# KiCad board PANEL_COM_MOD.kicad_pcb (continued)
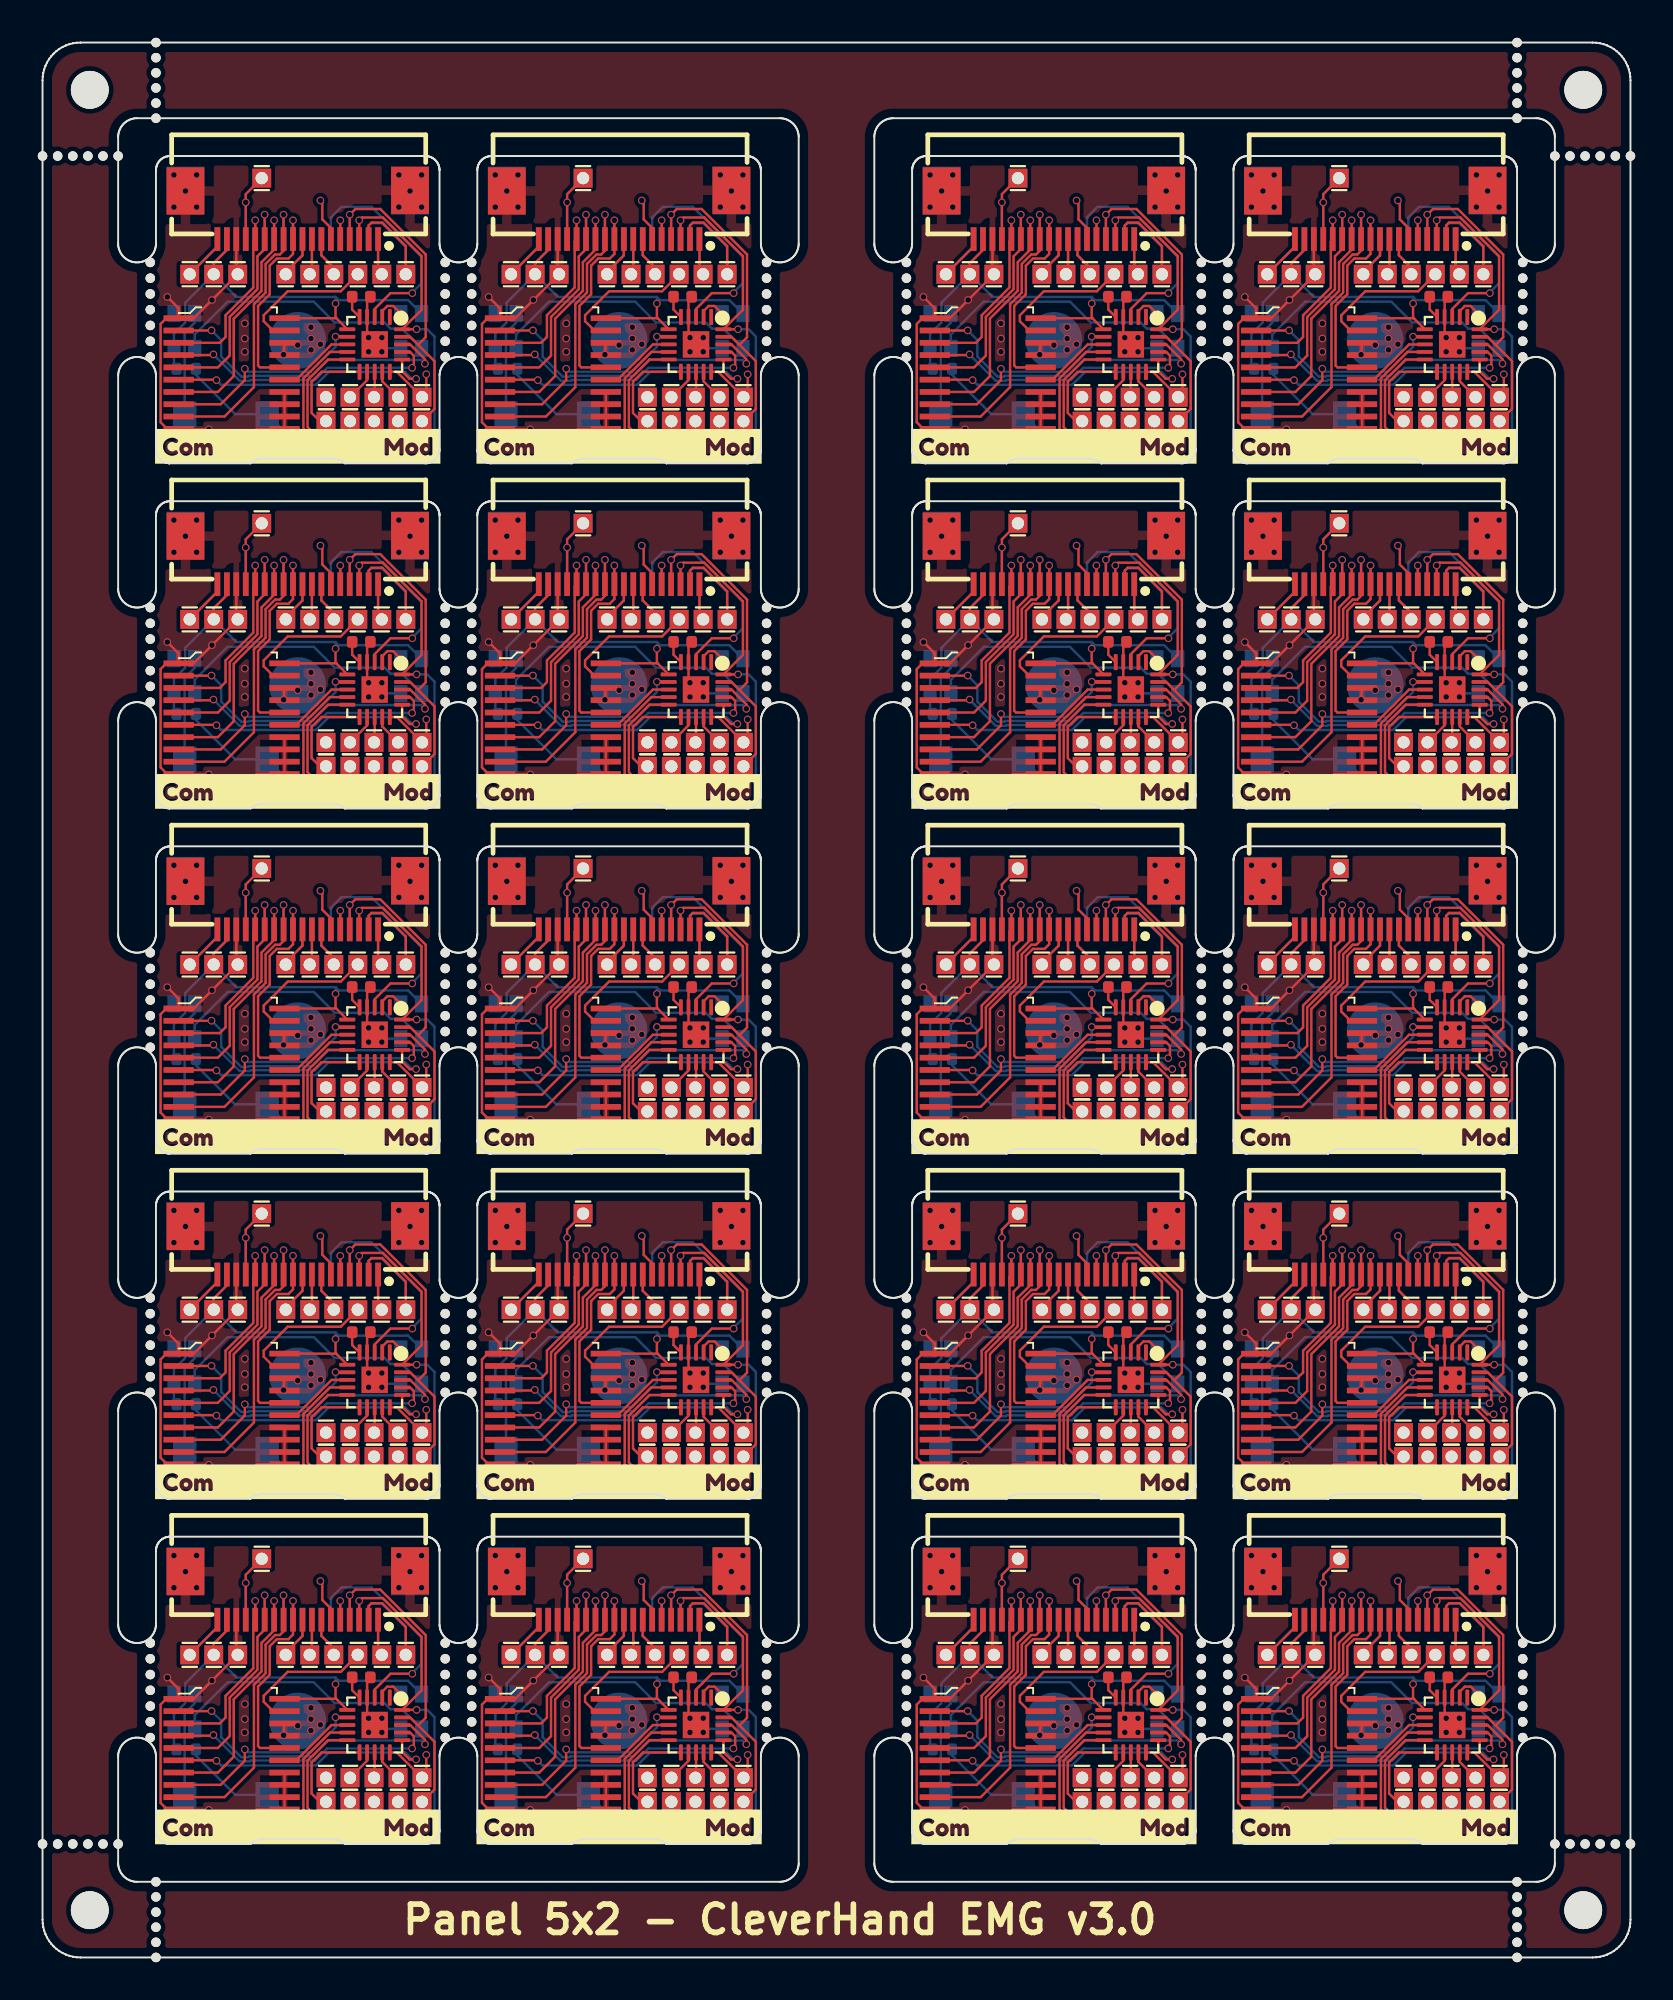
[diagram p0: board, top side]
## Routing (per net, layer and track width the routed paths; a pad name or vN(x,y) marks a point on that pad's centre or on a via; arc(x,y) is an arc through that point) (continued)
  Bottom w0.127: 12.75,72.58 v1(12.75,73.9)
Board_4-/addr_bus_4: length 11.3
  Top w0.127: v1(13.25,73.6) 13.25,71.82 13.01,71.58 12.39,71.58 12.02,71.2 12.02,69.69 11.4,69.07 11.4,65.93 11.5,65.83 U2#6.16
  Bottom w0.127: 13.25,72.58 v1(13.25,73.6)
Board_4-/addr_mod_0: length 16.8
  Top w0.127: v1(8.94,67.78) 8.93,67.78 U2#6.2 ; U1#7.18 19.44,67.04 20.23,66.26 v1(20.23,66.02)
  Bottom w0.127: v1(8.94,67.78) 9.45,67.27 9.45,66.4 10.51,65.34 10.87,65.34 10.91,65.38 14.27,65.38 15.12,66.22 20.03,66.22 v1(20.23,66.02)
Board_4-/addr_mod_1: length 14.6
  Top w0.127: v1(9.04,66.51) 9,66.48 U2#6.4 ; U1#7.17 19.44,66.64 19.64,66.45 19.64,65.95 19.55,65.86 v1(19.55,65.8)
  Bottom w0.127: v1(19.55,65.8) 15.05,65.8 14.41,65.16 11,65.16 10.96,65.12 10.42,65.12 9.04,66.5 v1(9.04,66.51)
Board_4-/addr_mod_2: length 14.6
  Top w0.127: v1(19.76,65.22) 19.42,65.22 19.02,65.62 U1#7.16 ; U2#6.6 9.17,65.18 v1(9.2,65.15)
  Bottom w0.127: v1(19.76,65.22) 19.55,65.22 19.18,65.58 15.14,65.58 14.46,64.9 9.45,64.9 v1(9.2,65.15)
Board_4-/addr_mod_3: length 11.2
  Top w0.127: v1(15.5,67.45) 15.68,67.45 15.69,67.44 U1#7.7 ; v1(10.7,65.75) 10.7,65.15 9.42,63.88 U2#6.8
  Bottom w0.127: v1(10.7,65.75) 10.85,65.6 14.18,65.6 15.5,66.91 v1(15.5,67.45)
Board_4-/addr_mod_4: length 4.1
  Top w0.127: U1#7.8 16.12,67.04 15.29,67.04 13.42,65.18 U2#6.15
Board_4-/AIN0: length 5.3
  Top w0.127: U1#7.11 14.76,65.59 14.23,65.06 14.23,63.42 14.67,62.98 15,62.98
Board_4-/AUX1: length 4.9
  Top w0.127: 9.25,72.58 9.25,72.22 J19#5.1
  Bottom w0.127: 9.25,72.58 9.25,72.22 J19#5.1
Board_4-/AUX2: length 9.5
  Top w0.127: J20#3.1 19.21,72.24 17.97,73.48 17.4,73.48 17.25,73.33 17.25,72.58
  Bottom w0.127: J20#3.1 19.21,72.19 17.96,73.45 17.37,73.45 17.25,73.33 17.25,72.58
Board_4-/AUX3: length 5.6
  Top w0.127: J3#18.1 10.75,74.99 v1(10.75,74.55) 10.75,72.58
  Bottom w0.127: v1(10.75,74.55) 10.75,72.58
Board_4-/CSB: length 7.5
  Top w0.127: J8#8.1 15.77,69.85 12.97,69.85 11.7,68.58 11.7,68.27 12.19,67.78 U2#6.19
Board_4-/extRef: length 3.8
  Top w0.127: J9#19.1 17.75,70.95 17.75,72.58
  Bottom w0.127: 17.75,72.58 17.75,70.95 J9#19.1
Board_4-/GPIO: length 17.7
  Top w0.127: 16.27,62.98 15.62,62.33 14.36,62.33 14.02,62.67 14.02,65.15 15.1,66.24 U1#7.10
  Bottom w0.127: 16.27,62.98 15.62,62.33 12.91,62.33 11.88,63.35 10.19,63.35 8.11,65.43 R1#19.2
Board_4-/i2C_SCL: length 19.7
  Top w0.127: v1(19.79,67.84) U1#7.20 20.05,68.87 20.05,71.71 18.01,73.75 16.9,73.75 v1(16.75,73.6) 16.75,72.58
  Bottom w0.127: v1(19.79,67.84) 20.35,67.84 20.73,67.46 20.73,62.33 19.46,62.33 18.81,62.98 ; v1(16.75,73.6) 16.75,72.58
Board_4-/I2C_SDA: length 18.4
  Top w0.127: 19.87,67.02 20.27,67.42 20.27,71.8 17.86,74.2 16.55,74.2 v1(16.25,73.9) 16.25,72.58 ; 19.87,67.02 20.73,66.15 20.73,63.63 20.08,62.98 ; 19.87,67.02 19.44,67.44 U1#7.19
  Bottom w0.127: v1(16.25,73.9) 16.25,72.58
Board_4-/IO1_in: length 12.2
  Top w0.127: v1(19.56,69.75) 18.4,69.75 17.57,68.92 U1#7.3
  Bottom w0.127: v1(19.56,69.75) 19.56,69.79 20.05,70.28 20.05,71.66 17.4,74.31 15.81,74.31 15.25,73.75 15.25,72.58
Board_4-/IO1_out: length 19.7
  Top w0.127: v1(20.3,65.46) 20.3,64.47 20.08,64.25 18.74,65.59 U1#7.15 ; v1(14.7,74.65) 14.8,74.55 14.8,73.65 15.25,73.2 15.25,72.58
  In2.Cu w0.127: v1(20.3,65.46) 20.64,65.8 20.64,71.86 17.65,74.85 14.9,74.85 v1(14.7,74.65)
Board_4-/IO2: length 2.1
  Top w0.127: v1(15.75,73.6) 15.75,72.58
  Bottom w0.127: 15.75,72.58 v1(15.75,73.6)
Board_4-/LED_IN: length 1.6
  Top w0.127: U1#7.2 17.97,68.8 18.23,69.07 18.55,69.07 v1(18.95,68.67)
Board_4-/PICO: length 3.7
  Top w0.127: 14.25,72.58 14.25,70.87 J6#13.1
  Bottom w0.127: 14.25,72.58 14.25,70.87 J6#13.1
Board_4-/PICO_ARM: length 1.4
  Top w0.127: 17.54,64.25 17.57,64.28 U1#7.13
Board_4-/POCI: length 4.4
  Top w0.127: J5#4.1 12.86,70.87 13.75,71.75 13.75,72.58
  Bottom w0.127: 13.75,72.58 13.75,71.75 12.86,70.87 J5#4.1
Board_4-/SCLK: length 4.2
  Top w0.127: 14.75,72.58 14.75,71.75 15.41,71.1 J7#9.1
  Bottom w0.127: 14.75,72.58 14.75,71.75 15.41,71.1 J7#9.1
Board_4-/SCLK_ARM: length 1.7
  Top w0.127: 16.27,64.25 17.17,65.15 U1#7.12
Board_4-/SPICS_ARM: length 9.9
  Top w0.127: U1#7.9 15.2,66.64 13.8,65.24 13.8,62.58 14.27,62.11 16.67,62.11 17.54,62.98
Board_4-/SWDIO/POCI_ARM: length 1.7
  Top w0.127: U1#7.14 17.97,65.09 18.81,64.25
Board_4-/Vcap: length 1.2
  Top w0.127: C1#5.2 16.38,68.88 U1#7.5
Board_4-GND: length 34.7
  Top w0.127: U2#6.11 11.32,62.58 v1(11.1,62.35) ; U2#6.11 13.45,62.58 ; U2#6.11 U2#6.14 12.34,64.53 ; C1#5.1 17.17,69.39 U1#7.4 17.17,67.44 17.21,67.4 v1(17.25,67.4) 17.25,67.36 U1#7.21 ; U2#6.1 8,68.43 v1(8.96,69.39) J2#3.1 10.25,70.83 10.25,72.58 ; U2#6.1 7.2,68.95 v1(6.6,69.55) ; U2#6.1 6.55,68.43 6.25,68.12 6.25,62.92 6.59,62.58 U2#6.10 7.23,62.55 v1(8.8,62.55) ; U2#6.18 v1(12.75,66.5) U2#6.17
  Bottom w0.127: 10.25,72.58 10.25,70.83 J2#3.1 ; 18.95,66.84 18.13,66.84 v1(17.95,66.65) 17.76,66.84 17.66,66.84 ; v1(8.96,69.39) 8.24,68.67 8.05,68.67 8.05,68.19 7.51,67.65 7.51,63.35
  vias: v1(6.95,76) v1(6.95,74.3) v1(7.56,75.15) v1(8.15,76) v1(8.15,74.3) v1(10.7,68.15) v1(10.7,67.35) v1(10.7,66.65) v1(13.5,67) v1(14.2,67.95) v1(14.2,67.35) v1(14.2,66.75) v1(14.7,67.05) v1(17.25,66.65) v1(17.95,67.4) v1(18.85,76) v1(18.85,74.3) v1(19.44,75.15) v1(20.05,76) v1(20.05,74.3)
Board_4-Net-(LED1-DO): length 14.5
  Bottom w0.127: 20.05,66.84 19.01,67.88 18.41,67.88 18.09,68.2 15.45,68.2 14.35,69.3 9.79,69.3 8.05,67.56 8.05,66.84
Board_5-+3.3V: length 26.7
  Top w0.127: U1#19.6 32.55,68.41 ; 32.55,68.41 32.53,68.43 U2#19.20 ; 32.55,68.41 32.5,68.46 v1(32.5,69.2) ; 26.75,72.58 26.75,72.04 26.05,71.34 J1#4.1
  Bottom w0.127: J1#4.1 24.55,69.24 24.55,68.2 23.95,67.6 23.95,65.89 R1#12.1 ; J1#4.1 27.26,69.55 32.5,69.55 ; J1#4.1 26.05,71.34 26.75,72.04 26.75,72.58 ; 37.05,68.67 36.34,69.38 32.67,69.38 32.5,69.55 ; 32.5,69.55 v1(32.5,69.2)
Board_5-/addr_bus_0: length 10.5
  Top w0.127: v1(28.25,73.6) 28.25,72.58 28.15,72.48 28.15,70.05 26.68,68.58 26.68,67.43 26.37,67.13 U2#19.3
  Bottom w0.127: 28.25,72.58 v1(28.25,73.6)
Board_5-/addr_bus_1: length 12.5
  Top w0.127: v1(28.75,73.9) 28.75,72.08 28.37,71.7 28.37,69.96 26.9,68.49 26.9,66.45 26.27,65.83 U2#19.5
  Bottom w0.127: 28.75,72.58 v1(28.75,73.9)
Board_5-/addr_bus_2: length 13.4
  Top w0.127: v1(29.25,73.6) 29.25,72.05 28.58,71.38 28.58,69.87 27.12,68.4 27.12,65.37 26.27,64.53 U2#19.7
  Bottom w0.127: 29.25,72.58 v1(29.25,73.6)
Board_5-/addr_bus_3: length 15.9
  Top w0.127: v1(29.75,73.9) 29.75,71.99 29.55,71.8 29.3,71.8 28.8,71.29 28.8,69.78 28.18,69.16 28.18,64.78 26.62,63.23 U2#19.9
  Bottom w0.127: 29.75,72.58 v1(29.75,73.9)
Board_5-/addr_bus_4: length 11.3
  Top w0.127: U2#19.16 28.5,65.83 28.4,65.93 28.4,69.07 29.02,69.69 29.02,71.2 29.39,71.58 30.01,71.58 30.25,71.82 v1(30.25,73.6)
  Bottom w0.127: 30.25,72.58 v1(30.25,73.6)
Board_5-/addr_mod_0: length 16.8
  Top w0.127: v1(37.23,66.02) 37.23,66.26 36.44,67.04 U1#19.18 ; U2#19.2 25.93,67.78 v1(25.94,67.78)
  Bottom w0.127: v1(25.94,67.78) 26.45,67.27 26.45,66.4 27.51,65.34 27.87,65.34 27.91,65.38 31.27,65.38 32.12,66.22 37.03,66.22 v1(37.23,66.02)
Board_5-/addr_mod_1: length 14.6
  Top w0.127: U1#19.17 36.44,66.64 36.64,66.45 36.64,65.95 36.55,65.86 v1(36.55,65.8) ; v1(26.04,66.51) 26,66.48 U2#19.4
  Bottom w0.127: v1(36.55,65.8) 32.05,65.8 31.41,65.16 28,65.16 27.96,65.12 27.42,65.12 26.04,66.5 v1(26.04,66.51)
Board_5-/addr_mod_2: length 14.6
  Top w0.127: v1(36.76,65.22) 36.42,65.22 36.02,65.62 U1#19.16 ; U2#19.6 26.17,65.18 v1(26.2,65.15)
  Bottom w0.127: v1(26.2,65.15) 26.45,64.9 31.46,64.9 32.14,65.58 36.18,65.58 36.55,65.22 v1(36.76,65.22)
Board_5-/addr_mod_3: length 11.2
  Top w0.127: v1(27.7,65.75) 27.7,65.15 26.42,63.88 U2#19.8 ; v1(32.5,67.45) 32.68,67.45 32.69,67.44 U1#19.7
  Bottom w0.127: v1(32.5,67.45) 32.5,66.91 31.18,65.6 27.85,65.6 v1(27.7,65.75)
Board_5-/addr_mod_4: length 4.1
  Top w0.127: U2#19.15 30.42,65.18 32.29,67.04 33.12,67.04 U1#19.8
Board_5-/AIN0: length 5.3
  Top w0.127: U1#19.11 31.76,65.59 31.23,65.06 31.23,63.42 31.67,62.98 32,62.98
Board_5-/AUX1: length 4.9
  Top w0.127: 26.25,72.58 26.25,72.22 J19#20.1
  Bottom w0.127: J19#20.1 26.25,72.22 26.25,72.58
Board_5-/AUX2: length 9.5
  Top w0.127: J20#6.1 36.22,72.24 34.97,73.48 34.4,73.48 34.25,73.33 34.25,72.58
  Bottom w0.127: J20#6.1 36.22,72.19 34.96,73.45 34.37,73.45 34.25,73.33 34.25,72.58
Board_5-/AUX3: length 5.6
  Top w0.127: 27.75,72.58 v1(27.75,74.55) 27.75,74.99 J3#14.1
  Bottom w0.127: v1(27.75,74.55) 27.75,72.58
Board_5-/CSB: length 7.5
  Top w0.127: U2#19.19 29.19,67.78 28.7,68.27 28.7,68.58 29.97,69.85 32.77,69.85 J8#5.1
Board_5-/extRef: length 3.8
  Top w0.127: 34.75,72.58 34.75,70.95 J9#8.1
  Bottom w0.127: 34.75,72.58 34.75,70.95 J9#8.1
Board_5-/GPIO: length 17.7
  Top w0.127: U1#19.10 32.1,66.24 31.02,65.15 31.02,62.67 31.36,62.33 32.62,62.33 33.27,62.98
  Bottom w0.127: R1#12.2 25.11,65.43 27.19,63.35 28.88,63.35 29.91,62.33 32.62,62.33 33.27,62.98
Board_5-/i2C_SCL: length 19.7
  Top w0.127: v1(36.79,67.84) U1#19.20 37.05,68.87 37.05,71.71 35.01,73.75 33.9,73.75 v1(33.75,73.6) 33.75,72.58
  Bottom w0.127: 35.81,62.98 36.46,62.33 37.73,62.33 37.73,67.46 37.35,67.84 v1(36.79,67.84) ; v1(33.75,73.6) 33.75,72.58
Board_5-/I2C_SDA: length 18.4
  Top w0.127: 36.87,67.02 37.73,66.15 37.73,63.63 37.08,62.98 ; 36.87,67.02 37.27,67.42 37.27,71.8 34.86,74.2 33.55,74.2 v1(33.25,73.9) 33.25,72.58 ; 36.87,67.02 36.44,67.44 U1#19.19
  Bottom w0.127: v1(33.25,73.9) 33.25,72.58
Board_5-/IO1_in: length 12.2
  Top w0.127: v1(36.56,69.75) 35.4,69.75 34.57,68.92 U1#19.3
  Bottom w0.127: v1(36.56,69.75) 36.56,69.79 37.05,70.28 37.05,71.66 34.4,74.31 32.81,74.31 32.25,73.75 32.25,72.58
Board_5-/IO1_out: length 19.7
  Top w0.127: v1(37.3,65.46) 37.3,64.47 37.08,64.25 35.74,65.59 U1#19.15 ; v1(31.7,74.65) 31.8,74.55 31.8,73.65 32.25,73.2 32.25,72.58
  In2.Cu w0.127: v1(37.3,65.46) 37.64,65.8 37.64,71.86 34.65,74.85 31.9,74.85 v1(31.7,74.65)
Board_5-/IO2: length 2.1
  Top w0.127: v1(32.75,73.6) 32.75,72.58
  Bottom w0.127: 32.75,72.58 v1(32.75,73.6)
Board_5-/LED_IN: length 1.6
  Top w0.127: U1#19.2 34.97,68.8 35.23,69.07 35.55,69.07 v1(35.95,68.67)
Board_5-/PICO: length 3.7
  Top w0.127: 31.25,72.58 31.25,70.87 J6#17.1
  Bottom w0.127: J6#17.1 31.25,70.87 31.25,72.58
Board_5-/PICO_ARM: length 1.4
  Top w0.127: U1#19.13 34.57,64.28 34.54,64.25
Board_5-/POCI: length 4.4
  Top w0.127: 30.75,72.58 30.75,71.75 29.87,70.87 J5#5.1
  Bottom w0.127: J5#5.1 29.87,70.87 30.75,71.75 30.75,72.58
Board_5-/SCLK: length 4.2
  Top w0.127: 31.75,72.58 31.75,71.75 32.41,71.1 J7#4.1
  Bottom w0.127: 31.75,72.58 31.75,71.75 32.41,71.1 J7#4.1
Board_5-/SCLK_ARM: length 1.7
  Top w0.127: U1#19.12 34.17,65.15 33.27,64.25
Board_5-/SPICS_ARM: length 9.9
  Top w0.127: 34.54,62.98 33.67,62.11 31.27,62.11 30.8,62.58 30.8,65.24 32.2,66.64 U1#19.9
Board_5-/SWDIO/POCI_ARM: length 1.7
  Top w0.127: 35.81,64.25 34.97,65.09 U1#19.14
Board_5-/Vcap: length 1.2
  Top w0.127: U1#19.5 33.38,68.88 C1.2
Board_5-GND: length 34.7
  Top w0.127: U2#19.11 U2#19.14 29.34,64.53 ; U2#19.11 28.32,62.58 v1(28.1,62.35) ; U2#19.11 30.45,62.58 ; U2#19.1 25,68.43 v1(25.96,69.39) J2#12.1 27.25,70.83 27.25,72.58 ; U2#19.1 24.2,68.95 v1(23.6,69.55) ; U2#19.1 23.55,68.43 23.25,68.12 23.25,62.92 23.59,62.58 U2#19.10 24.23,62.55 v1(25.8,62.55) ; U2#19.18 v1(29.75,66.5) U2#19.17 ; C1.1 34.17,69.39 U1#19.4 34.17,67.44 34.21,67.4 v1(34.25,67.4) 34.25,67.36 U1#19.21
  Bottom w0.127: J2#12.1 27.25,70.83 27.25,72.58 ; 34.66,66.84 34.76,66.84 v1(34.95,66.65) 35.13,66.84 35.95,66.84 ; 24.51,63.35 24.51,67.65 25.05,68.19 25.05,68.67 25.24,68.67 v1(25.96,69.39)
  vias: v1(23.95,76) v1(23.95,74.3) v1(24.56,75.15) v1(25.15,76) v1(25.15,74.3) v1(27.7,68.15) v1(27.7,67.35) v1(27.7,66.65) v1(30.5,67) v1(31.2,67.95) v1(31.2,67.35) v1(31.2,66.75) v1(31.7,67.05) v1(34.25,66.65) v1(34.95,67.4) v1(35.85,76) v1(35.85,74.3) v1(36.44,75.15) v1(37.05,76) v1(37.05,74.3)
Board_5-Net-(LED1-DO): length 14.5
  Bottom w0.127: 25.05,66.84 25.05,67.56 26.79,69.3 31.35,69.3 32.45,68.2 35.09,68.2 35.41,67.88 36.01,67.88 37.05,66.84
Board_6-+3.3V: length 26.7
  Top w0.127: 55.55,68.41 55.5,68.46 v1(55.5,69.2) ; 55.55,68.41 55.53,68.43 U2#17.20 ; 55.55,68.41 U1#20.6 ; 49.75,72.58 49.75,72.04 49.05,71.34 J1#18.1
  Bottom w0.127: 55.5,69.55 55.67,69.38 59.34,69.38 60.05,68.67 ; 55.5,69.55 50.26,69.55 J1#18.1 ; 55.5,69.55 v1(55.5,69.2) ; J1#18.1 47.55,69.24 47.55,68.2 46.95,67.6 46.95,65.89 R1.1 ; J1#18.1 49.05,71.34 49.75,72.04 49.75,72.58
Board_6-/addr_bus_0: length 10.5
  Top w0.127: U2#17.3 49.37,67.13 49.68,67.43 49.68,68.58 51.15,70.05 51.15,72.48 51.25,72.58 v1(51.25,73.6)
  Bottom w0.127: 51.25,72.58 v1(51.25,73.6)
Board_6-/addr_bus_1: length 12.5
  Top w0.127: U2#17.5 49.27,65.83 49.9,66.45 49.9,68.49 51.37,69.96 51.37,71.7 51.75,72.08 v1(51.75,73.9)
  Bottom w0.127: 51.75,72.58 v1(51.75,73.9)
Board_6-/addr_bus_2: length 13.4
  Top w0.127: U2#17.7 49.27,64.53 50.12,65.37 50.12,68.4 51.58,69.87 51.58,71.38 52.25,72.05 v1(52.25,73.6)
  Bottom w0.127: 52.25,72.58 v1(52.25,73.6)
Board_6-/addr_bus_3: length 15.9
  Top w0.127: v1(52.75,73.9) 52.75,71.99 52.55,71.8 52.3,71.8 51.8,71.29 51.8,69.78 51.18,69.16 51.18,64.78 49.62,63.23 U2#17.9
  Bottom w0.127: 52.75,72.58 v1(52.75,73.9)
Board_6-/addr_bus_4: length 11.3
  Top w0.127: v1(53.25,73.6) 53.25,71.82 53.01,71.58 52.39,71.58 52.02,71.2 52.02,69.69 51.4,69.07 51.4,65.93 51.5,65.83 U2#17.16
  Bottom w0.127: 53.25,72.58 v1(53.25,73.6)
Board_6-/addr_mod_0: length 16.8
  Top w0.127: v1(48.94,67.78) 48.93,67.78 U2#17.2 ; v1(60.23,66.02) 60.23,66.26 59.44,67.04 U1#20.18
  Bottom w0.127: v1(60.23,66.02) 60.03,66.22 55.12,66.22 54.27,65.38 50.91,65.38 50.87,65.34 50.51,65.34 49.45,66.4 49.45,67.27 v1(48.94,67.78)
Board_6-/addr_mod_1: length 14.6
  Top w0.127: U1#20.17 59.44,66.64 59.64,66.45 59.64,65.95 59.55,65.86 v1(59.55,65.8) ; U2#17.4 49,66.48 v1(49.04,66.51)
  Bottom w0.127: v1(59.55,65.8) 55.05,65.8 54.41,65.16 51,65.16 50.96,65.12 50.42,65.12 49.04,66.5 v1(49.04,66.51)
Board_6-/addr_mod_2: length 14.6
  Top w0.127: v1(49.2,65.15) 49.17,65.18 U2#17.6 ; v1(59.76,65.22) 59.42,65.22 59.02,65.62 U1#20.16
  Bottom w0.127: v1(59.76,65.22) 59.55,65.22 59.18,65.58 55.14,65.58 54.46,64.9 49.45,64.9 v1(49.2,65.15)
Board_6-/addr_mod_3: length 11.2
  Top w0.127: v1(55.5,67.45) 55.68,67.45 55.69,67.44 U1#20.7 ; v1(50.7,65.75) 50.7,65.15 49.42,63.88 U2#17.8
  Bottom w0.127: v1(55.5,67.45) 55.5,66.91 54.18,65.6 50.85,65.6 v1(50.7,65.75)
Board_6-/addr_mod_4: length 4.1
  Top w0.127: U2#17.15 53.42,65.18 55.29,67.04 56.12,67.04 U1#20.8
Board_6-/AIN0: length 5.3
  Top w0.127: U1#20.11 54.76,65.59 54.23,65.06 54.23,63.42 54.67,62.98 55,62.98
Board_6-/AUX1: length 4.9
  Top w0.127: 49.25,72.58 49.25,72.22 J19#6.1
  Bottom w0.127: J19#6.1 49.25,72.22 49.25,72.58
Board_6-/AUX2: length 9.5
  Top w0.127: J20#15.1 59.22,72.24 57.97,73.48 57.4,73.48 57.25,73.33 57.25,72.58
  Bottom w0.127: 57.25,72.58 57.25,73.33 57.37,73.45 57.96,73.45 59.22,72.19 J20#15.1
Board_6-/AUX3: length 5.6
  Top w0.127: 50.75,72.58 v1(50.75,74.55) 50.75,74.99 J3#9.1
  Bottom w0.127: v1(50.75,74.55) 50.75,72.58
Board_6-/CSB: length 7.5
  Top w0.127: U2#17.19 52.19,67.78 51.7,68.27 51.7,68.58 52.97,69.85 55.77,69.85 J8#3.1
Board_6-/extRef: length 3.8
  Top w0.127: 57.75,72.58 57.75,70.95 J9#7.1
  Bottom w0.127: 57.75,72.58 57.75,70.95 J9#7.1
Board_6-/GPIO: length 17.7
  Top w0.127: 56.27,62.98 55.62,62.33 54.36,62.33 54.02,62.67 54.02,65.15 55.1,66.24 U1#20.10
  Bottom w0.127: R1.2 48.11,65.43 50.19,63.35 51.88,63.35 52.91,62.33 55.62,62.33 56.27,62.98
Board_6-/i2C_SCL: length 19.7
  Top w0.127: 56.75,72.58 v1(56.75,73.6) 56.9,73.75 58.01,73.75 60.05,71.71 60.05,68.87 U1#20.20 v1(59.79,67.84)
  Bottom w0.127: v1(59.79,67.84) 60.35,67.84 60.73,67.46 60.73,62.33 59.46,62.33 58.81,62.98 ; v1(56.75,73.6) 56.75,72.58
Board_6-/I2C_SDA: length 18.4
  Top w0.127: U1#20.19 59.44,67.44 59.87,67.02 ; 56.25,72.58 v1(56.25,73.9) 56.55,74.2 57.86,74.2 60.27,71.8 60.27,67.42 59.87,67.02 ; 59.87,67.02 60.73,66.15 60.73,63.63 60.08,62.98
  Bottom w0.127: v1(56.25,73.9) 56.25,72.58
Board_6-/IO1_in: length 12.2
  Top w0.127: U1#20.3 57.57,68.92 58.4,69.75 v1(59.56,69.75)
  Bottom w0.127: v1(59.56,69.75) 59.56,69.79 60.05,70.28 60.05,71.66 57.4,74.31 55.81,74.31 55.25,73.75 55.25,72.58
Board_6-/IO1_out: length 19.7
  Top w0.127: U1#20.15 58.74,65.59 60.08,64.25 60.3,64.47 v1(60.3,65.46) ; 55.25,72.58 55.25,73.2 54.8,73.65 54.8,74.55 v1(54.7,74.65)
  In2.Cu w0.127: v1(60.3,65.46) 60.64,65.8 60.64,71.86 57.65,74.85 54.9,74.85 v1(54.7,74.65)
Board_6-/IO2: length 2.1
  Top w0.127: v1(55.75,73.6) 55.75,72.58
  Bottom w0.127: 55.75,72.58 v1(55.75,73.6)
Board_6-/LED_IN: length 1.6
  Top w0.127: U1#20.2 57.97,68.8 58.23,69.07 58.55,69.07 v1(58.95,68.67)
Board_6-/PICO: length 3.7
  Top w0.127: J6#2.1 54.25,70.87 54.25,72.58
  Bottom w0.127: 54.25,72.58 54.25,70.87 J6#2.1
Board_6-/PICO_ARM: length 1.4
  Top w0.127: 57.54,64.25 57.57,64.28 U1#20.13
Board_6-/POCI: length 4.4
  Top w0.127: 53.75,72.58 53.75,71.75 52.87,70.87 J5#17.1
  Bottom w0.127: J5#17.1 52.87,70.87 53.75,71.75 53.75,72.58
Board_6-/SCLK: length 4.2
  Top w0.127: 54.75,72.58 54.75,71.75 55.41,71.1 J7#5.1
  Bottom w0.127: 54.75,72.58 54.75,71.75 55.41,71.1 J7#5.1
Board_6-/SCLK_ARM: length 1.7
  Top w0.127: 56.27,64.25 57.17,65.15 U1#20.12
Board_6-/SPICS_ARM: length 9.9
  Top w0.127: U1#20.9 55.2,66.64 53.8,65.24 53.8,62.58 54.27,62.11 56.67,62.11 57.54,62.98
Board_6-/SWDIO/POCI_ARM: length 1.7
  Top w0.127: U1#20.14 57.97,65.09 58.81,64.25
Board_6-/Vcap: length 1.2
  Top w0.127: C1#4.2 56.38,68.88 U1#20.5
Board_6-GND: length 34.7
  Top w0.127: U2#17.18 v1(52.75,66.5) U2#17.17 ; v1(48.8,62.55) 47.23,62.55 U2#17.10 46.59,62.58 46.25,62.92 46.25,68.12 46.55,68.43 U2#17.1 ; 52.34,64.53 U2#17.14 U2#17.11 ; U2#17.11 51.32,62.58 v1(51.1,62.35) ; U2#17.11 53.45,62.58 ; U2#17.1 48,68.43 v1(48.96,69.39) J2#16.1 50.25,70.83 50.25,72.58 ; U2#17.1 47.2,68.95 v1(46.6,69.55) ; C1#4.1 57.17,69.39 U1#20.4 57.17,67.44 57.21,67.4 v1(57.25,67.4) 57.25,67.36 U1#20.21
  Bottom w0.127: 58.95,66.84 58.13,66.84 v1(57.95,66.65) 57.76,66.84 57.66,66.84 ; 50.25,72.58 50.25,70.83 J2#16.1 ; 47.51,63.35 47.51,67.65 48.05,68.19 48.05,68.67 48.24,68.67 v1(48.96,69.39)
  vias: v1(46.95,76) v1(46.95,74.3) v1(47.56,75.15) v1(48.15,76) v1(48.15,74.3) v1(50.7,68.15) v1(50.7,67.35) v1(50.7,66.65) v1(53.5,67) v1(54.2,67.95) v1(54.2,67.35) v1(54.2,66.75) v1(54.7,67.05) v1(57.25,66.65) v1(57.95,67.4) v1(58.85,76) v1(58.85,74.3) v1(59.44,75.15) v1(60.05,76) v1(60.05,74.3)
Board_6-Net-(LED1-DO): length 14.5
  Bottom w0.127: 60.05,66.84 59.01,67.88 58.41,67.88 58.09,68.2 55.45,68.2 54.35,69.3 49.79,69.3 48.05,67.56 48.05,66.84
Board_7-+3.3V: length 26.7
  Top w0.127: 72.55,68.41 72.53,68.43 U2#16.20 ; 72.55,68.41 U1.6 ; 72.55,68.41 72.5,68.46 v1(72.5,69.2) ; 66.75,72.58 66.75,72.04 66.06,71.34 J1.1
  Bottom w0.127: J1.1 67.25,69.55 72.5,69.55 ; J1.1 64.55,69.24 64.55,68.2 63.95,67.6 63.95,65.89 R1#14.1 ; J1.1 66.06,71.34 66.75,72.04 66.75,72.58 ; 72.5,69.55 72.67,69.38 76.34,69.38 77.05,68.67 ; 72.5,69.55 v1(72.5,69.2)
Board_7-/addr_bus_0: length 10.5
  Top w0.127: v1(68.25,73.6) 68.25,72.58 68.15,72.48 68.15,70.05 66.68,68.58 66.68,67.43 66.37,67.13 U2#16.3
  Bottom w0.127: 68.25,72.58 v1(68.25,73.6)
Board_7-/addr_bus_1: length 12.5
  Top w0.127: v1(68.75,73.9) 68.75,72.08 68.37,71.7 68.37,69.96 66.9,68.49 66.9,66.45 66.27,65.83 U2#16.5
  Bottom w0.127: 68.75,72.58 v1(68.75,73.9)
Board_7-/addr_bus_2: length 13.4
  Top w0.127: U2#16.7 66.27,64.53 67.12,65.37 67.12,68.4 68.58,69.87 68.58,71.38 69.25,72.05 v1(69.25,73.6)
  Bottom w0.127: 69.25,72.58 v1(69.25,73.6)
Board_7-/addr_bus_3: length 15.9
  Top w0.127: v1(69.75,73.9) 69.75,71.99 69.55,71.8 69.3,71.8 68.8,71.29 68.8,69.78 68.18,69.16 68.18,64.78 66.62,63.23 U2#16.9
  Bottom w0.127: 69.75,72.58 v1(69.75,73.9)
Board_7-/addr_bus_4: length 11.3
  Top w0.127: U2#16.16 68.5,65.83 68.4,65.93 68.4,69.07 69.02,69.69 69.02,71.2 69.39,71.58 70.01,71.58 70.25,71.82 v1(70.25,73.6)
  Bottom w0.127: 70.25,72.58 v1(70.25,73.6)
Board_7-/addr_mod_0: length 16.8
  Top w0.127: U1.18 76.44,67.04 77.23,66.26 v1(77.23,66.02) ; U2#16.2 65.93,67.78 v1(65.94,67.78)
  Bottom w0.127: v1(65.94,67.78) 66.45,67.27 66.45,66.4 67.51,65.34 67.87,65.34 67.91,65.38 71.27,65.38 72.12,66.22 77.03,66.22 v1(77.23,66.02)
Board_7-/addr_mod_1: length 14.6
  Top w0.127: v1(66.04,66.51) 66,66.48 U2#16.4 ; v1(76.55,65.8) 76.55,65.86 76.64,65.95 76.64,66.45 76.44,66.64 U1.17
  Bottom w0.127: v1(66.04,66.51) 66.04,66.5 67.42,65.12 67.96,65.12 68,65.16 71.41,65.16 72.05,65.8 v1(76.55,65.8)
Board_7-/addr_mod_2: length 14.6
  Top w0.127: v1(66.2,65.15) 66.17,65.18 U2#16.6 ; U1.16 76.02,65.62 76.42,65.22 v1(76.76,65.22)
  Bottom w0.127: v1(76.76,65.22) 76.55,65.22 76.18,65.58 72.14,65.58 71.46,64.9 66.45,64.9 v1(66.2,65.15)
Board_7-/addr_mod_3: length 11.2
  Top w0.127: U1.7 72.69,67.44 72.68,67.45 v1(72.5,67.45) ; v1(67.7,65.75) 67.7,65.15 66.42,63.88 U2#16.8
  Bottom w0.127: v1(72.5,67.45) 72.5,66.91 71.18,65.6 67.85,65.6 v1(67.7,65.75)
Board_7-/addr_mod_4: length 4.1
  Top w0.127: U2#16.15 70.42,65.18 72.29,67.04 73.12,67.04 U1.8
Board_7-/AIN0: length 5.3
  Top w0.127: 72,62.98 71.67,62.98 71.23,63.42 71.23,65.06 71.76,65.59 U1.11
Board_7-/AUX1: length 4.9
  Top w0.127: 66.25,72.58 66.25,72.22 J19#15.1
  Bottom w0.127: J19#15.1 66.25,72.22 66.25,72.58
Board_7-/AUX2: length 9.5
  Top w0.127: J20#10.1 76.22,72.24 74.97,73.48 74.4,73.48 74.25,73.33 74.25,72.58
  Bottom w0.127: J20#10.1 76.22,72.19 74.96,73.45 74.37,73.45 74.25,73.33 74.25,72.58
Board_7-/AUX3: length 5.6
  Top w0.127: J3#5.1 67.75,74.99 v1(67.75,74.55) 67.75,72.58
  Bottom w0.127: v1(67.75,74.55) 67.75,72.58
Board_7-/CSB: length 7.5
  Top w0.127: J8#15.1 72.78,69.85 69.97,69.85 68.7,68.58 68.7,68.27 69.19,67.78 U2#16.19
Board_7-/extRef: length 3.8
  Top w0.127: J9#13.1 74.75,70.95 74.75,72.58
  Bottom w0.127: J9#13.1 74.75,70.95 74.75,72.58
Board_7-/GPIO: length 17.7
  Top w0.127: U1.10 72.1,66.24 71.02,65.15 71.02,62.67 71.36,62.33 72.62,62.33 73.27,62.98
  Bottom w0.127: 73.27,62.98 72.62,62.33 69.91,62.33 68.88,63.35 67.19,63.35 65.11,65.43 R1#14.2
Board_7-/i2C_SCL: length 19.7
  Top w0.127: v1(76.79,67.84) U1.20 77.05,68.87 77.05,71.71 75.01,73.75 73.9,73.75 v1(73.75,73.6) 73.75,72.58
  Bottom w0.127: v1(73.75,73.6) 73.75,72.58 ; 75.81,62.98 76.46,62.33 77.73,62.33 77.73,67.46 77.35,67.84 v1(76.79,67.84)
Board_7-/I2C_SDA: length 18.4
  Top w0.127: 76.87,67.02 76.44,67.44 U1.19 ; 76.87,67.02 77.73,66.15 77.73,63.63 77.08,62.98 ; 76.87,67.02 77.27,67.42 77.27,71.8 74.86,74.2 73.55,74.2 v1(73.25,73.9) 73.25,72.58
  Bottom w0.127: v1(73.25,73.9) 73.25,72.58
Board_7-/IO1_in: length 12.2
  Top w0.127: v1(76.56,69.75) 75.4,69.75 74.57,68.92 U1.3
  Bottom w0.127: 72.25,72.58 72.25,73.75 72.81,74.31 74.4,74.31 77.05,71.66 77.05,70.28 76.56,69.79 v1(76.56,69.75)
Board_7-/IO1_out: length 19.7
  Top w0.127: v1(77.3,65.46) 77.3,64.47 77.08,64.25 75.74,65.59 U1.15 ; 72.25,72.58 72.25,73.2 71.8,73.65 71.8,74.55 v1(71.7,74.65)
  In2.Cu w0.127: v1(71.7,74.65) 71.9,74.85 74.65,74.85 77.64,71.86 77.64,65.8 v1(77.3,65.46)
Board_7-/IO2: length 2.1
  Top w0.127: v1(72.75,73.6) 72.75,72.58
  Bottom w0.127: 72.75,72.58 v1(72.75,73.6)
Board_7-/LED_IN: length 1.6
  Top w0.127: U1.2 74.97,68.8 75.23,69.07 75.55,69.07 v1(75.95,68.67)
Board_7-/PICO: length 3.7
  Top w0.127: 71.25,72.58 71.25,70.87 J6#20.1
  Bottom w0.127: J6#20.1 71.25,70.87 71.25,72.58
Board_7-/PICO_ARM: length 1.4
  Top w0.127: U1.13 74.57,64.28 74.54,64.25
Board_7-/POCI: length 4.4
  Top w0.127: 70.75,72.58 70.75,71.75 69.86,70.87 J5#13.1
  Bottom w0.127: J5#13.1 69.86,70.87 70.75,71.75 70.75,72.58
Board_7-/SCLK: length 4.2
  Top w0.127: 71.75,72.58 71.75,71.75 72.41,71.1 J7#12.1
  Bottom w0.127: J7#12.1 72.41,71.1 71.75,71.75 71.75,72.58
Board_7-/SCLK_ARM: length 1.7
  Top w0.127: U1.12 74.17,65.15 73.27,64.25
Board_7-/SPICS_ARM: length 9.9
  Top w0.127: U1.9 72.2,66.64 70.8,65.24 70.8,62.58 71.27,62.11 73.67,62.11 74.54,62.98
Board_7-/SWDIO/POCI_ARM: length 1.7
  Top w0.127: 75.81,64.25 74.97,65.09 U1.14
Board_7-/Vcap: length 1.2
  Top w0.127: U1.5 73.38,68.88 C1#12.2
Board_7-GND: length 34.7
  Top w0.127: U2#16.1 65,68.43 v1(65.96,69.39) J2#5.1 67.25,70.83 67.25,72.58 ; U2#16.1 64.2,68.95 v1(63.6,69.55) ; U2#16.1 63.55,68.43 63.25,68.12 63.25,62.92 63.59,62.58 U2#16.10 64.22,62.55 v1(65.8,62.55) ; U1.21 74.25,67.36 v1(74.25,67.4) 74.21,67.4 74.17,67.44 U1.4 74.17,69.39 C1#12.1 ; U2#16.11 U2#16.14 69.34,64.53 ; U2#16.11 70.45,62.58 ; U2#16.11 68.32,62.58 v1(68.1,62.35) ; U2#16.17 v1(69.75,66.5) U2#16.18
  Bottom w0.127: v1(65.96,69.39) 65.24,68.67 65.05,68.67 65.05,68.19 64.51,67.65 64.51,63.35 ; J2#5.1 67.25,70.83 67.25,72.58 ; 74.66,66.84 74.76,66.84 v1(74.95,66.65) 75.13,66.84 75.95,66.84
  vias: v1(63.95,76) v1(63.95,74.3) v1(64.56,75.15) v1(65.15,76) v1(65.15,74.3) v1(67.7,68.15) v1(67.7,67.35) v1(67.7,66.65) v1(70.5,67) v1(71.2,67.95) v1(71.2,67.35) v1(71.2,66.75) v1(71.7,67.05) v1(74.25,66.65) v1(74.95,67.4) v1(75.85,76) v1(75.85,74.3) v1(76.44,75.15) v1(77.05,76) v1(77.05,74.3)
